# KiCad board PC110.kicad_pcb (continued)
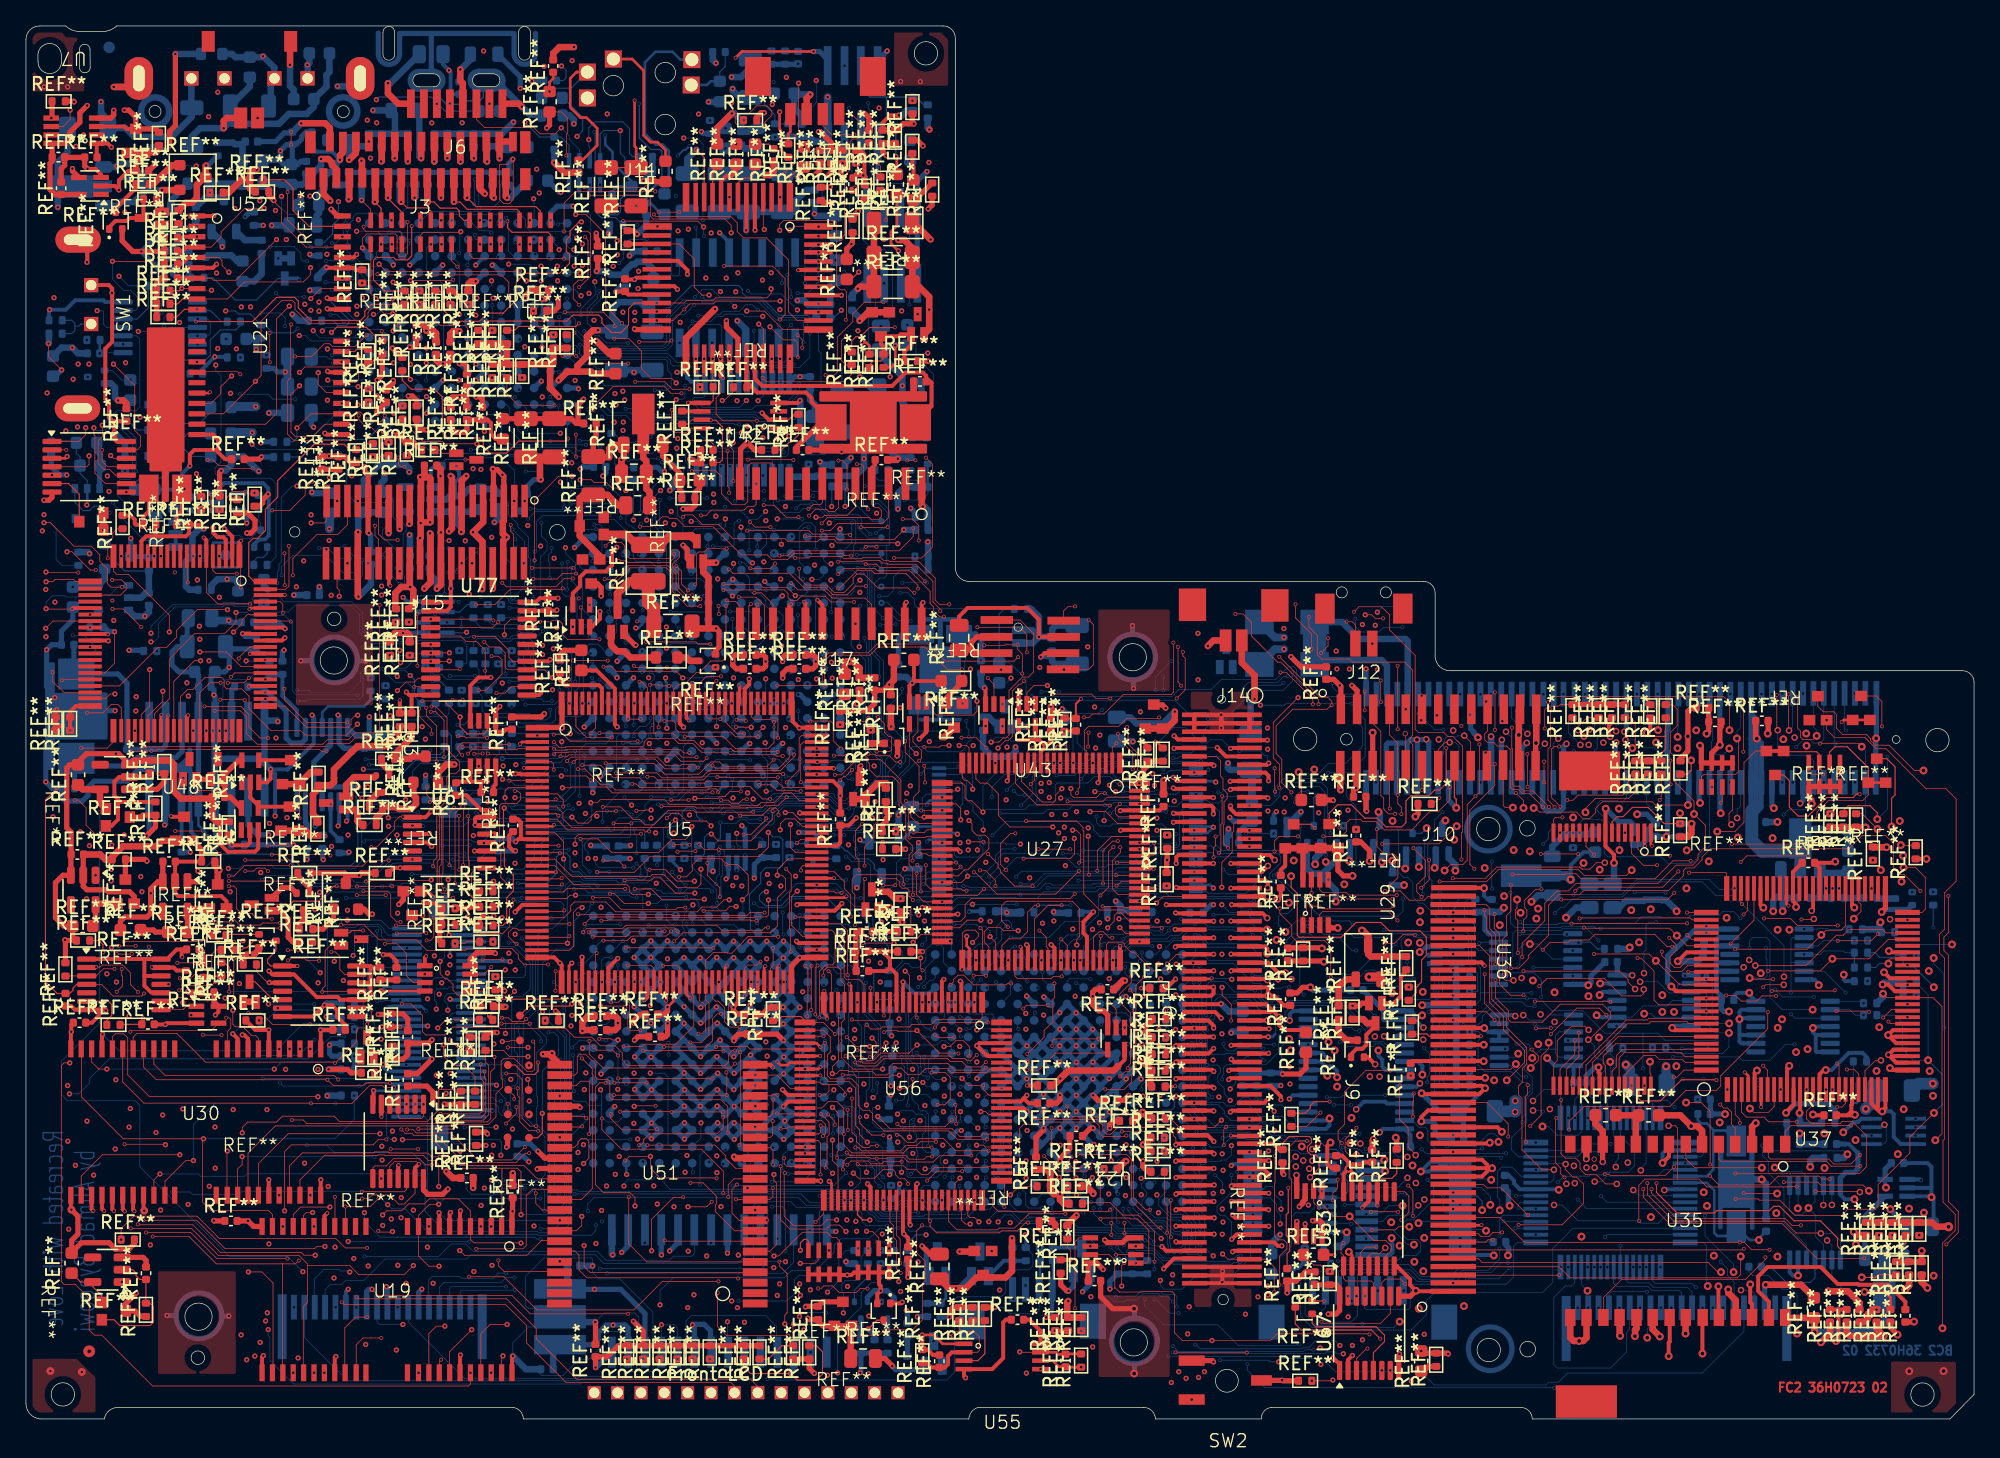
[diagram p0: board, top side]
## Routing (per net, layer and track width the routed paths; a pad name or vN(x,y) marks a point on that pad's centre or on a via; arc(x,y) is an arc through that point) (continued)
YMFDAC_VDD: length 81.7
  FC2 w0.05: v2(47.24,83) 49.61,83 v2(49.72,83.11) ; REF**#321.8 51.23,76.35 50.89,76.01 49.92,76.01 49.74,76.19 v2(49.74,77.76)
  FC1 w0.05: v1(45.54,90.8) 45.06,90.32 45.06,89.56 45.6,89.02 45.6,88.2 45.03,87.63 45.03,84.05 45.63,83.45 45.63,80.48 46.48,79.63 47.06,79.63 47.24,79.81 v2(47.24,83) ; v2(49.72,83.11) 49.72,82.67 49.65,82.6 49.65,78.16 49.74,78.07 v2(49.74,77.76)
  BC1 w0.05: v11(68.66,79.3) 67.89,80.07 66.99,80.07 66.75,79.83 66.31,79.83 66,80.14 66,84.06 v11(65.85,84.21) ; v11(47.07,92.03) 47.38,91.72 v11(49.59,91.72) 49.59,92.17 50.13,92.71 53.82,92.71 54.74,91.79 54.74,91.45 55.16,91.03 56.77,91.03 59.08,93.34 60.63,93.34 v11(61.4,94.11) ; v11(64.03,96.25) 61.38,96.25 v11(61.32,96.31)
  BC2 w0.05: v11(61.4,94.11) 61.32,94.19 v11(61.32,96.31) ; v11(49.59,91.72) 49.69,91.62 49.69,88.22 49.82,88.09 50.23,88.09 50.35,88.21 U33.1 ; v11(64.03,96.25) 64.03,94.18 63.45,93.6 63.45,91.88 65.22,90.11 66.11,90.11 66.73,89.49 66.73,85.09 v11(65.85,84.21) ; REF**#827.1 49.67,89.98 ; v1(45.54,90.8) 46.17,91.43 46.47,91.43 v11(47.07,92.03)
YMFDAC_VSS: length 36.7
  FC2 w0.3: v1(59.62,78.49) 59.43,78.3 REF**#321.4
  IC1 w0.5: v1(64.23,80.31) 62.41,78.49 v1(59.62,78.49) 59.62,78.53 56.69,81.46 56.69,82.81 54.87,84.63 v1(54.79,84.63) 54.79,84.39 54.2,83.8 53.09,83.8 51.31,85.58 49.3,85.58 48.87,86.01 48.87,88.48 47.7,89.65 v1(46.49,89.65)
  BC2 w0.3: v1(59.62,78.49) 59.64,78.47
  BC2 w0.5: REF**#827.2 46.82,89.98 v1(46.49,89.65) ; U33.12 55.44,84 54.8,84.63 v1(54.79,84.63) ; 59.64,78.47 59.64,76.38 60.58,75.44 REF**#740.2 ; v1(64.23,80.31) 65.24,79.3 REF**#858.2
ZEROWS#: length 37.9
  BC1 w0.05: v11(60.81,40.77) 60.81,47.77 60.53,48.05 60.53,49.1 59.62,50.01 v11(59.62,50.85) ; v11(55.78,50.77) 58.59,50.77 v11(58.61,50.79) ; v11(72,29.48) 71.68,29.48 71.16,30 71.16,30.34 70.69,30.81 70.09,30.81 69.69,31.21 69.69,34.88 69.49,35.08 68.69,35.08 68.19,35.58 v11(68.19,35.78)
  BC2 w0.05: 52.56,50.18 53.18,50.8 55.75,50.8 v11(55.78,50.77) ; 72.57,29.46 72.02,29.46 v11(72,29.48) ; v11(60.81,40.77) 62.53,40.77 63.83,39.47 64.47,39.47 65.23,38.71 65.23,38.01 65.53,37.71 65.53,37.33 65.79,37.07 66.15,37.07 66.25,37.17 67.31,37.17 68.19,36.29 v11(68.19,35.78) ; v11(58.61,50.79) 59.56,50.79 v11(59.62,50.85)

## Copper pours and planes (outline as drawn; the poured copper is in the pictures)
GND on FC2: 94.4,11.9 94.4,8.62 92.96,8.62 92.96,8.98 91.34,8.98 91.34,8.62 89.97,8.62 89.97,11.9
GND on FC2: 66.87,106.92 66.87,102.74 71.03,102.74 71.03,106.29 70.41,106.92
GND on FC2: 0.25,102.29 4.48,102.29 4.48,106.48 3.07,106.48 2.65,106.98 0.67,106.98 0.28,106.59
GND on FC2: 143.66,4.42 143.66,0.26 148.09,0.26 148.66,0.84 148.66,4.4
GND on FC2: 20.8,62.84 20.8,55 26.73,55 26.73,62.81
GND on FC2: 82.59,62.37 82.59,56.06 88.09,56.06 88.09,62.37
GND on FC2: 10.17,3.47 10.17,11.38 16.17,11.38 16.17,3.47
GND on FC2: 0.28,4.63 3.91,4.63 5.35,3.21 5.35,0.34 0.9,0.34 0.28,0.99
GND on FC2: 93.86,56.04 93.86,54.99 94.48,54.99 94.48,52.84 89.73,52.85 89.73,56.05
GND on FC2: 82.62,9.55 82.61,3.23 88.09,3.23 88.1,9.55
GND on BC2: 66.78,106.83 66.78,102.66 71.02,102.66 71.02,106.17 70.43,106.84
GND on BC2: 13.78,51.97 22.64,51.97 22.64,51.79 21.72,50.9 21.72,46.88 18.98,46.88 18.98,49.76 13.78,49.76
GND on BC2: 0.06,102.18 0.05,106.29 0.63,106.91 2.61,106.91 3.11,106.41 4.49,106.41 4.49,102.17
GND on BC2: 0.43,4.48 4.11,4.48 5.49,3.09 5.49,0.27 1.07,0.27 0.41,0.9
GND on BC2: 143.74,4.28 143.74,0.25 148.05,0.25 148.74,0.92 148.74,4.27
GND on IP2: 1.16,1.39 1.03,105.61 70.15,105.49 70.12,64.3 71.35,63.2 107.31,63.23 107.39,57.41 107.86,56.64 108.59,56.27 148.93,56.21 149.04,2.55 147.71,1.17 117.31,1.13 116.99,1.66 116.42,2.09 115.82,2.16 94.85,2.21 94.36,2.04 94.14,1.78 93.92,1.44 87.68,1.43 87.47,1.78 87.25,1.95 86.77,2.15 86.34,2.22 72.95,2.24 72.2,2.14 71.71,1.83 71.37,1.44 71.14,1.34 39.71,1.34 39.24,2.07 38.79,2.29 38.1,2.32 5.68,2.37 5.06,2.12 4.77,1.68 4.61,1.39
(no net) on IC2: 105.97,26.76 106.9,25.87 106.84,20.93 105.36,19.56 104.53,19.54 104.3,19.78 104.28,20.39 105.23,21.32 105.23,22.2 104.79,22.2 104.79,24.36 104.04,25.14 104.03,25.39 103.29,26.12 103.3,26.76
PNET1 on IP1: 58.3,105.57 58.35,97.11 53.08,97.11 44.55,88.83 44.65,80.9 70.13,80.72 70.09,64.31 70.22,63.96 70.19,63.79 69.65,63.15 53.97,63.01 51.07,66.05 40.5,66.06 38.68,67.99 38.72,72.54 37.08,74.19 35.59,74.22 34.89,73.61 34.9,66.78 39.13,62.52 49.28,62.48 51.97,59.7 83.45,59.52 83.66,58.01 84.1,57.46 84.82,57.06 85.77,56.98 86.39,57.29 86.85,57.76 87.08,58.29 87.08,58.9 87.06,59.36 86.91,59.6 93.91,59.58 95.44,58.09 98.01,58.08 98.25,58.26 98.24,63.23 107.31,63.23 107.39,57.41 107.61,57.06 107.86,56.64 108.21,56.46 108.59,56.27 148.92,56.19 149.04,2.54 147.71,1.18 117.31,1.13 117.16,1.38 116.98,1.67 116.75,1.84 116.42,2.1 115.81,2.16 94.85,2.21 94.36,2.04 94.14,1.79 93.92,1.44 87.68,1.43 87.47,1.78 87.25,1.95 86.77,2.15 86.33,2.22 72.95,2.24 72.2,2.14 71.71,1.83 71.37,1.44 71.15,1.34 61.15,1.37 61.18,13.48 44.57,13.52 43.93,12.96 43.86,12.77 43.91,6.84 41.92,4.81 41.84,4.67 41.88,1.34 39.71,1.34 39.44,1.75 39.24,2.07 39.08,2.15 38.78,2.29 38.1,2.32 5.95,2.37 5.68,2.37 5.33,2.23 5.06,2.12 4.9,1.9 4.74,1.67 4.64,1.45 4.61,1.39 4.19,1.39 4.24,1.72 4.2,2.22 4.07,2.6 3.82,2.9 3.59,3.09 3.3,3.23 3.02,3.29 2.7,3.29 2.41,3.23 2.07,3.07 1.84,2.87 1.66,2.64 1.48,2.27 1.44,1.98 1.45,1.76 1.46,1.52 1.48,1.38 1.16,1.39 1.04,103.38 1.27,103.29 1.55,103.2 1.89,103.17 2.26,103.24 2.6,103.4 2.9,103.66 3.1,103.98 3.23,104.39 3.23,104.77 3.21,105.34 3.19,105.6 3.61,105.59 3.62,104.08 3.65,103.88 3.79,103.61 3.96,103.43 4.24,103.28 4.51,103.23 4.81,103.26 5.08,103.42 5.26,103.59 5.4,103.85 5.45,104.2 5.45,105.27 5.48,105.59 27.2,105.57 27.28,105.07 27.46,104.68 27.78,104.48 28.2,104.4 28.56,104.48 28.78,104.74 28.98,104.98 29.17,105.4 29.04,105.57 37.65,105.6 37.7,104.92 37.97,104.55 38.48,104.37 38.98,104.38 39.2,104.59 39.4,104.83 39.47,105.61 ; 5 cut-outs
PNET2 on IP1: 36.17,43.87 35.3,43.02 31.47,43.05 30.63,43.8 30.61,47.19 31.1,47.55 35.53,47.52 36.17,46.94
PNET3 on IP1: 42.4,1.39 42.39,4.52 44.43,6.58 44.4,12.63 44.85,12.97 60.66,12.93 60.67,1.36
PNET4 on IP1: 35.43,73.44 35.66,73.68 36.89,73.68 38.17,72.34 38.17,67.75 40.38,65.57 50.75,65.56 53.89,62.49 69.77,62.49 70.72,63.41 71.2,63.2 71.42,63.17 97.65,63.12 97.65,58.61 95.65,58.61 94.1,60.13 86.33,60.15 85.9,60.4 85.48,60.5 85.15,60.5 84.78,60.43 84.45,60.28 84.23,60.15 52.34,60.21 49.57,63 39.36,63.04 35.43,66.97
PNET5 on IP1: 63.39,81.33 45.12,81.37 45.08,88.34 53.38,96.55 62.9,96.52 62.94,87.07 63.43,85.34 63.43,81.33
PNET5 on IP1: 94.93,42.89 85.22,42.93 82.31,45.84 82.3,47.31 83.64,48.71 106.41,48.67 113.34,41.82 117.98,41.79 117.98,41.24 118.94,40.28 127.56,40.24 128.67,39.14 128.71,36.83 125.56,33.7 124.58,33.7 117.16,26.32 113.19,26.35 113.19,20.44 106.71,20.48 106.14,19.72 104.39,19.71 103.79,20.25 103.76,25.24 102.48,26.64 102.48,27.49 104.09,27.49 106.71,30.06 107.04,30.39 107.04,35.83 101.21,41.69 101.2,43.63 101.17,43.75 101.09,43.84 100.96,43.89 96.01,43.9
PNET5 on IC1: 41.56,64.14 42.19,63.5 42.19,58.52 41.45,57.77 35.34,57.76 32.73,55.18 32.74,53.46 33.24,52.96 33.26,50.32 32.76,50.3 32.75,52.77 32.24,53.27 32.22,55.35 35.12,58.25 41.2,58.25 41.7,58.74 41.7,61.67 41.24,61.67 41.24,62.09 40.52,62.09 40.52,61.67 39.29,61.67 38.94,61.32 38.69,61.32 37.92,60.54 27.19,60.54 26.96,60.76 26.96,62.39 27.23,62.62 29.37,62.62 29.61,62.87 36.07,62.87 37.3,64.14
PNET5 on IC1: 74.83,38.65 74.75,38.74 74.76,40.09 74.91,40.26 84.53,40.26 84.63,40.17 84.63,39.31 84.58,39.27 81.84,39.27 81.84,38.5 80.5,38.5 79.54,37.55 77.47,37.55 77.03,37.97 77.03,38.6 76.74,38.92 76.07,38.92 75.82,38.65
PNET5 on IC1: 137.09,19.79 138.13,19.79 138.13,19.05 138.21,18.98 139.38,18.98 141.31,20.86 141.31,21.69 140.89,22.14 140.89,22.62 140.13,23.42 138.06,23.42 138.03,23.47 138.03,23.82 137.84,24.05 135.46,24.05 134.96,23.54 133.78,23.54 133.03,24.3 132.6,24.3 132.53,24.23 129.29,24.23 128.53,25 127.45,25 126.06,23.6 119.21,23.58 117.81,24.97 117.58,24.97 116.55,25.98 116.55,27.79 116.78,28.01 117,28.01 117.13,28.14 118.31,28.14 118.43,28.02 120.85,28.02 120.85,26.95 121.12,26.68 122.12,26.68 122.57,26.24 125.23,26.24 125.74,26.73 127.37,26.73 128.61,27.94 132.86,27.96 132.91,27.9 136.21,27.9 136.3,27.83 137.52,27.83 137.52,26.05 138.11,25.44 141.54,25.44 141.74,25.2 142.54,25.2 142.54,23.4 142.66,23.25 142.86,23.18 143.15,23.19 143.68,23.19 143.69,22.1 143.69,20.54 141.69,18.52 140.67,18.49 139.44,17.26 138.03,17.26 137.91,17.4 137.07,17.4 136.82,17.63 136.82,19.52
PNET5 on IC2: 102.14,42.35 103.52,40.98 103.54,39.52 104.04,38.99 105.56,38.95 106.04,38.53 106.09,36.4 106.22,36.23 106.65,36.22 106.72,36.13 106.71,35.48 106.62,35.35 105.27,35.37 105.1,35.47 105.05,35.71 105.05,36.5 105,36.61 104.67,36.61 102,39.31 102,41.47 101.88,41.59 101.36,41.59 101.28,41.6 101.23,41.66 101.22,42.2 101.27,42.28 101.35,42.34
PNET5 on IC3: 45.56,76.98 45.55,75.51 44.14,74.1 37.19,74.09 36.81,73.73 32.26,73.74 30.99,72.48 30.8,72.36 30.2,72.36 30.08,72.57 30.09,74.55 31.52,76.01 31.53,76.52 31.9,76.92 39.39,76.93 40.88,75.45 42.16,75.46 43.91,77.19 45.31,77.19 45.55,77.01
PNET5 on IC4: 45.44,77.37 44.95,77.87 44.95,79.24 46.23,80.54 46.21,84.39 45.58,85.02 45.58,85.59 45.82,85.83 46.06,85.85 46.73,86.52 46.71,87.27 47.02,87.61 47.11,87.72 47.15,87.81 47.15,87.95 47.09,88.07 46.64,88.51 44.78,88.52 44.19,87.91 44.19,84.38 44.35,84.19 44.42,84.12 44.41,83.84 44.39,83.75 44.34,83.67 44.34,82.94 44.16,82.74 44.15,81.81 43.21,80.85 43.19,78.93 43.27,78.84 43.3,78.77 43.29,76.66 43.49,76.45 45.4,76.43 45.47,76.43 45.47,76.57 45.49,76.62 45.55,76.68 45.58,76.75 45.58,76.98 45.53,77.03 45.45,77.08
PNET6 on IP1: 63.91,81.33 63.94,85.42 63.45,87.66 63.44,96.97 63.38,97.05 58.84,97.05 58.88,105.48 67.96,105.47 68.03,105.04 68.2,104.63 68.44,104.38 68.81,104.06 69.22,103.94 69.6,103.89 69.92,104 70.13,104 70.18,81.33
PNET7 on IP1: 37.3,29.5 37.27,20.26 39.12,18.37 40.96,18.37 43.08,20.58 43.08,26.47 40.16,29.5
PNET8 on IP1: 79.63,6.11 80.81,7.21 80.76,10.3 76.88,14.17 75.42,14.17 71.43,10.33 71.43,9.22 74.56,6.11
PNET9 on IP1: 85.65,24.16 85.51,24.04 81.34,24.05 81.36,17.11 82,16.46 83.98,16.46 85.13,17.6 85.13,20.56 85.19,20.68 85.26,20.74 85.42,20.79 94.2,20.74 95.24,21.73 96.98,21.75 97.63,22.38 97.61,26.31 93.52,26.3 93.15,26.6 92.5,27.29 92.43,33.77 91.03,34.49 88.95,34.53 88.46,34.53 87.7,33.71 87.72,27.41 86.77,26.72 86.47,26.57 85.65,26.57
PNET10 on IP1: 81.37,24.6 81.33,36.37 83.03,38.32 97.7,38.32 100.64,35.39 100.65,34.63 97.86,31.82 97.86,26.8 93.71,26.81 93.03,27.45 93.06,34.2 93.06,34.6 91.83,34.95 91.56,35.03 89.15,35.03 88.34,35.07 87.18,33.95 87.16,27.74 86.46,27.17 85.55,27.17 85.15,26.78 85.15,24.59
PNET11 on IC1: 120.09,51.5 120.11,52.17 120.94,52.18 121.37,51.73 125.97,51.74 126,53.67 126.11,53.79 127.97,53.79 128.2,53.59 128.21,52.65 127.84,52.4 126.77,52.4 126.77,51.41 125.39,49.99 121.59,49.99
PNET12 on IP1: 118.54,42.73 118.54,41.45 119.13,40.84 127.74,40.81 129.2,39.39 129.21,36.63 125.8,33.15 125.15,33.16 124.99,33.15 124.88,33.16 124.81,33.16 117.33,25.75 113.71,25.77 113.74,20.46 135.21,20.4 140.05,15.59 143.97,15.59 143.98,46.81 120.91,46.89 120.57,46.59 120.57,44.74

## Text on the board
BC2: BC2 36H0732 02 | Recreated with Love / by Ahmad Byagowi
FC2: FC2 36H0723 02
FC1: FC1 36H0723 01
IP1: IP1 36H0724 01
IC1: IC1 36H0726 01
IC2: IC2 36H0726 01
IC3: IC3 36H0726 01
IC4: IC4 36H0723 01
IP2: IP2 36H0724 01
BC1: BC1 36H0732 01
